# Altium PCB ST1-1-BASIS.PcbDoc (part 5 of 7) (continued)
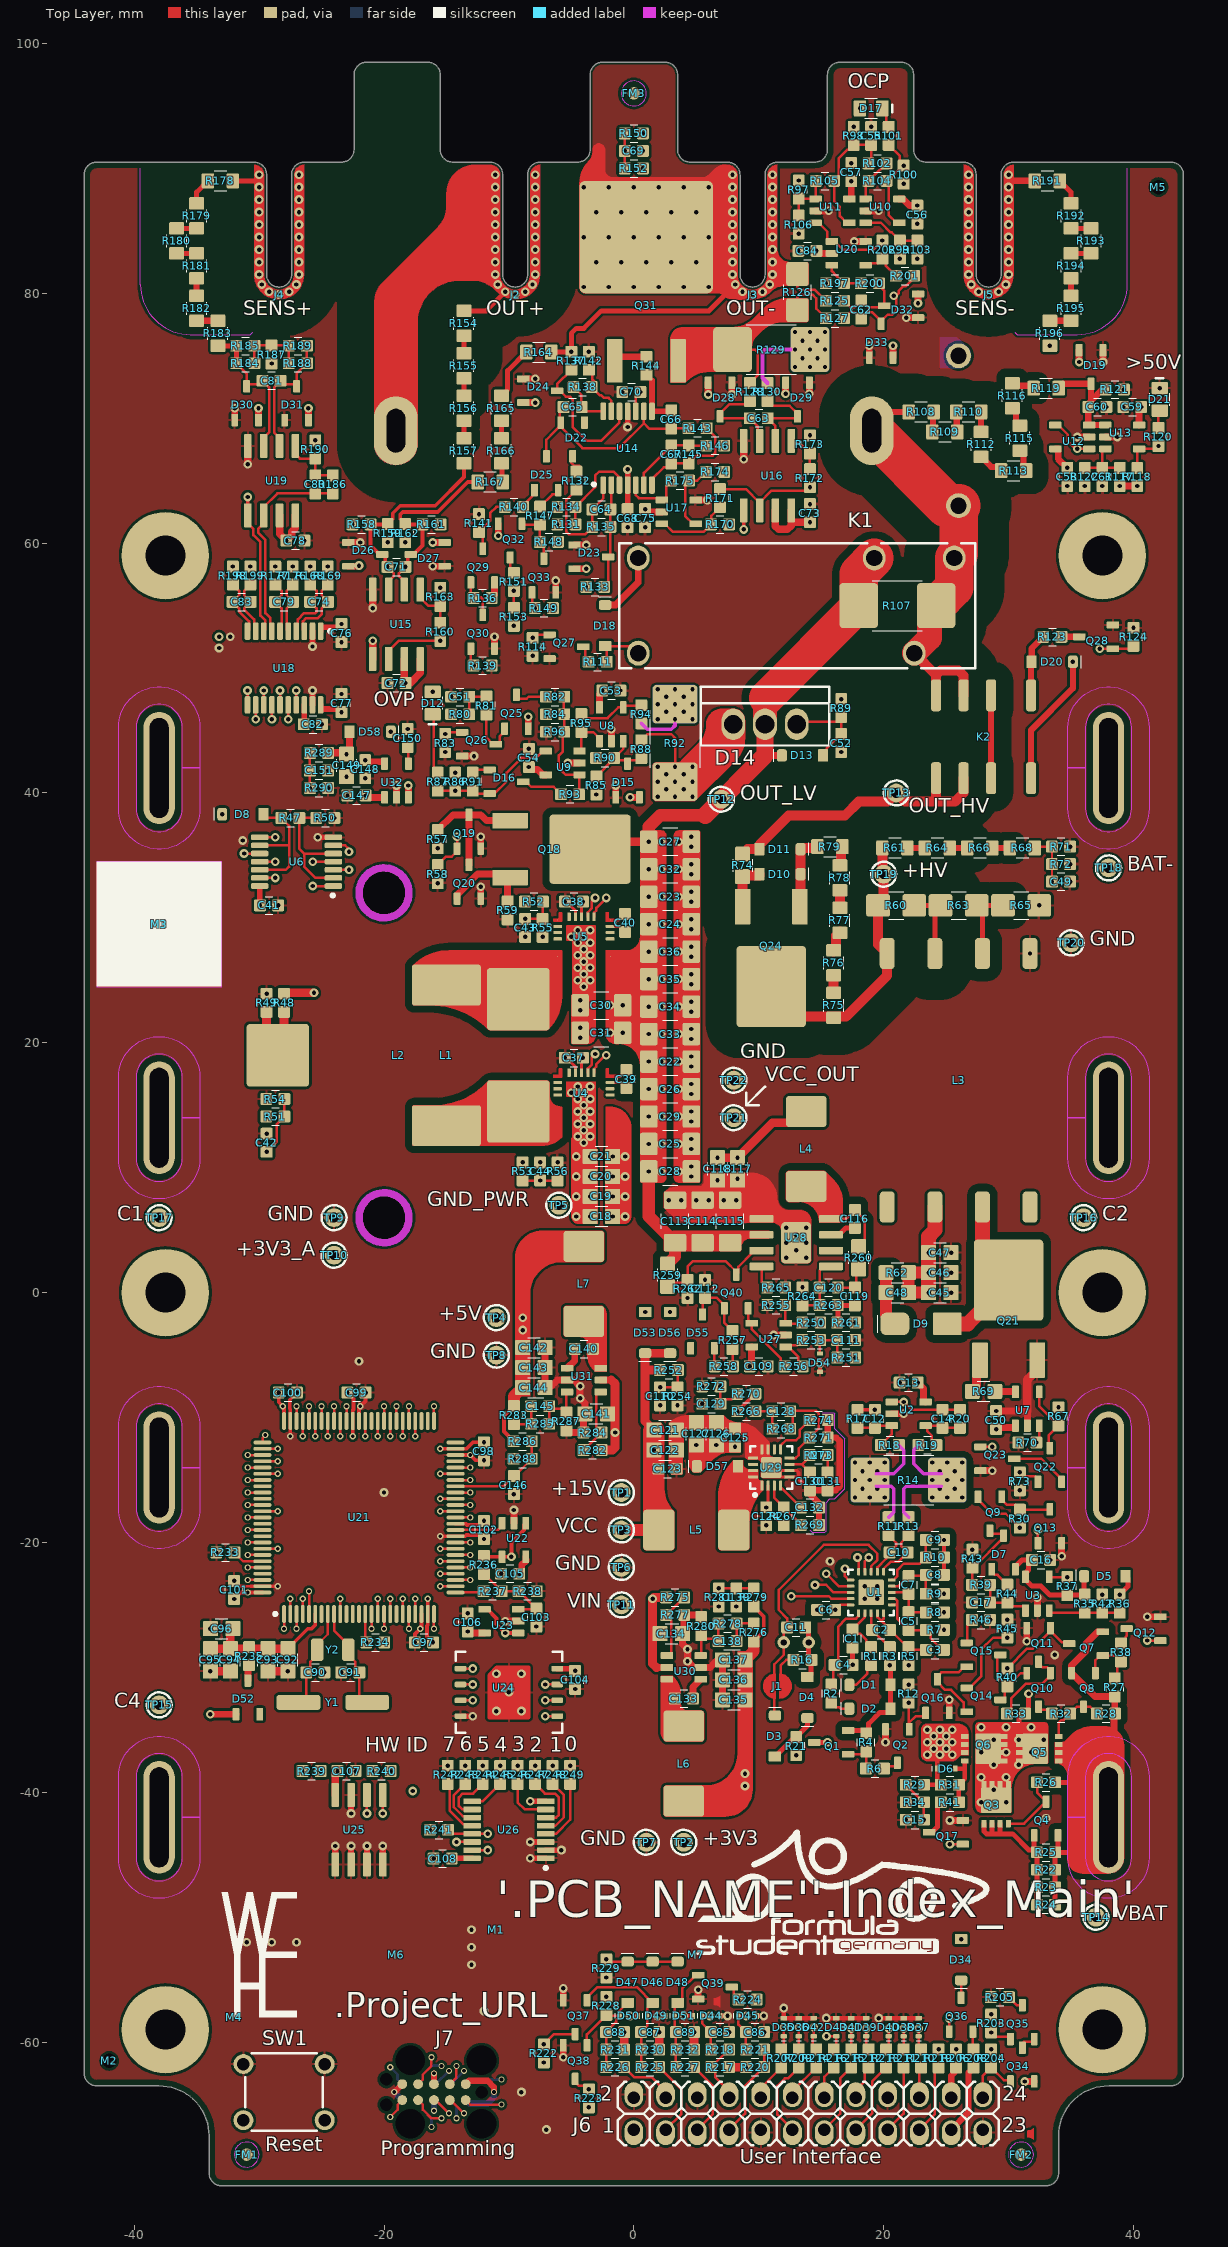
[diagram p0: Top Layer view]
## Nets (pads, with @x,y where several pads share a name; then routed paths per layer and width w, separated by ;. In a path a pad name is that pad's centre, name@x,y a point inside that pad or via, vN(x,y) a via of type N, cw(c..) or ccw(c..) an arc to the next point about the centre after c; other vN are vias at no path point) (continued)
NetQ10_1: Q10.1@33.35,-30.45 Q11.3 R33.2 | length 7
  Top Layer w0.2: R33.2@29.875,-33.7 30.2,-33.375 30.2,-32.5 31.4,-31.3 32.7,-31.3 33.35,-30.65 Q10.1@33.35,-30.45 33.35,-30.25 33.1,-30 32.7,-30 32.4,-29.7 Q11.3@32.4,-29.55
NetQ10_2: Q10.2 Q14.3 Q15.3 R40.2 | length 6.3
  Top Layer w0.2: Q14.3@29.35,-32.6 29.5,-32.6 29.7,-32.4 29.7,-31.725 R40.2@29.9,-31.525 ; Q15.3@29.35,-29 29.1,-29.25 29.1,-30.725 R40.2@29.9,-31.525 ; Q10.2@31.45,-30.45 30.975,-30.45 R40.2@29.9,-31.525
NetQ10_3: Q10.3 R32.2 | length 1.4
  Top Layer w0.2: Q10.3@32.4,-33.15 32.4,-33.3 32.5,-33.4 33.175,-33.4 R32.2@33.475,-33.7
NetQ12_1: Q12.1@42.15,-27.85 R37.2 U3.4 | length 11.2
  Top Layer w0.2: U3.4@33.25,-22.75 33.388,-22.888 33.388,-22.812 33.425,-22.775 v1(34.7,-22.775) ; v1(41.1,-27.85) Q12.1@42.15,-27.85
  Mid 1 w0.2: v1(34.7,-22.775) 39.775,-27.85 v1(41.1,-27.85)
NetQ12_3: Q12.3 R38.2 | length 1.4
  Top Layer w0.2: R38.2@39,-28.075 39.375,-27.7 39.375,-27.55 39.45,-27.475 Q12.3@39.45,-26.9
NetQ14_2: Q14.2 Q15.2 Q16.3 | length 6.8
  Top Layer w0.2: Q14.2@26.65,-33.55 26.575,-33.55 26.4,-33.375 26.4,-32.8 25.4,-31.8 24.925,-31.8 24.3,-31.175 Q16.3@24.3,-30.95 24.3,-30.725 24.625,-30.4 25.975,-30.4 26.425,-29.95 Q15.2@26.65,-29.95
NetQ17_3: Q17.3 R41.2 | length 2.9
  Top Layer w0.4: Q17.3@23.65,-43.2 23.875,-43.2 24.3,-42.775 24.3,-41.075 R41.2@24.575,-40.8
NetQ18_1: Q18.1@-9.9,37.786 Q19.3 Q20.3 R57.2 | length 10.5
  Top Layer w0.55: R57.2@-15.7,37.025 -14.475,38.25 Q19.3@-13.2,38.25 ; Q20.3@-13.2,34.25 Q19.3@-13.2,38.25 ; Q18.1@-9.9,37.786 -11.786,37.786 -12.25,38.25 Q19.3@-13.2,38.25
NetQ18_2: Q18.2 Q20.1@-14.15,31.55 R59.1 | length 7.3
  Top Layer w0.55: Q20.1@-14.15,31.55 -14.15,31.85 -12.5,33.5 -10.186,33.5 Q18.2@-9.9,33.214 -10.1,33.014 R59.1@-10.1,31.325
NetQ21_1: Q21.1@27.714,-5.4 R69.2 | length 3.1
  Top Layer w0.7: R69.2@27.1,-7.9 27.439,-7.561 Q21.1@27.439,-5.675 ; Q21.1@27.439,-5.675 Q21.1@27.714,-5.4 Q21.1@27.439,-5.675
NetQ22_2: Q22.2 Q23.3 | length 4.7
  Top Layer w0.2: Q23.3@30.45,-13.3 32.625,-13.3 34.25,-14.925 Q22.2@34.25,-15.15
NetQ22_3: Q22.3 R67.2 U7.4 | length 5.5
  Top Layer w0.2: U7.4@32.45,-7.95 32.45,-9.075 R67.2@34,-10.625 33.2,-11.425 33.2,-12.35 Q22.3@33.3,-12.45
NetQ25_1: Q25.1@-10.35,45.15 Q26.3 R81.2 | length 4.4
  Top Layer w0.2: R81.2@-11.8,46.275 -11.8,44.425 -11.275,43.9 Q26.3@-11.05,43.9 -10.925,43.9 -10.75,44.075 -10.75,44.525 -10.35,44.925 Q25.1@-10.35,45.15
NetQ25_3: Q25.3 R82.1 | length 2.7
  Top Layer w0.2: Q25.3@-9.4,47.85 -9.4,47.65 -9.263,47.513 -9.225,47.551 -8.574,47.551 -8.425,47.7 R82.1@-7.025,47.7
NetQ27_3: Q27.3 R111.2 | length 1.4
  Top Layer w0.2: Q27.3@-4.05,51.7 -3.9,51.55 -3.9,50.775 R111.2@-3.625,50.5
NetQ28_3: Q28.3 R123.2 | length 1.4
  Top Layer w0.5: R123.2@34.225,52.5 Q28.3@35.65,52.5
NetQ29_1: Q29.1@-13.05,56.85 Q30.3 R136.2 | length 3.4
  Top Layer w0.2: Q29.1@-13.05,56.85 -13.05,55.825 R136.2@-12.825,55.6 -12.762,55.663 -12.23,55.663 -12.1,55.533 -12.1,54.35 Q30.3@-12.1,54.25
NetQ29_3: Q29.3 R140.1 R141.1 | length 4.7
  Top Layer w0.2: Q29.3@-12.1,59.55 -12.1,60.575 R141.1@-12.4,60.875 -11.5,61.775 -11.5,62.4 -11,62.9 R140.1@-10.325,62.9
NetQ31_1: Q31.1@-1.54,74.6 R144.2 | length 2.7
  Top Layer w0.5: Q31.1@-1.54,74.6 -1.215,74.925 R144.2@1,74.925
NetQ31_2: Q31.2 R126.2 R127.1 R128.1 R129.1 | length 20.7
  Top Layer w0.2: R129.1@7.9,75.5 9.7,75.5 9.9,75.3 9.9,73.425 R128.1@9.3,72.825 ; R126.2@13.1,78.65 13.1,79.7 13.3,79.9 14.3,79.9 14.6,79.6 14.6,78.775 R127.1@15.375,78
  Top Layer w0.7: R129.1@7.9,75.5 10.6,78.2 12.65,78.2 R126.2@13.1,78.65
  Top Layer w1.25: Q31.2@3.54,74.6 7,74.6 R129.1@7.9,75.5
NetQ32_1: Q32.1@-8.95,61.55 Q33.3 R147.2 R148.2 | length 4.5
  Top Layer w0.2: Q32.1@-8.95,61.55 -8.875,61.475 R147.2@-7.5,61.475 -7.525,61.45 R148.2@-7.525,60.1 -7.22,60.1 -7.223,60.097 -7.223,58.773 Q33.3@-7.2,58.75
NetQ32_3: Q32.3 R151.1 | length 1.3
  Top Layer w0.2: Q32.3@-9.9,58.85 -9.9,57.925 R151.1@-9.6,57.625
NetQ34_3: Q34.3 Q35.2 | length 1.5
  Top Layer w0.2: Q34.3@31.1,-60.45 31.1,-60.35 31.1,-60.1 31.25,-59.95 31.9,-59.95 32.05,-59.8 Q35.2@32.05,-59.75
NetQ36_2: Q36.2 R208.1 | length 1.4
  Top Layer w0.2: Q36.2@27.15,-59.15 27.15,-60.525 R208.1@27.2,-60.575
NetQ40_2: Q40.2 R256.2 U27.4 | length 5.9
  Top Layer w0.2: Q40.2@9.15,-1.25 9.15,-2.15 U27.4@9.45,-2.45 9.45,-2.95 11.775,-5.275 11.775,-5.6 R256.2@12.075,-5.9
NetR35_2: R35.2 R36.2 R42.1 U3.3 | length 5.7
  Top Layer w0.2: U3.3@33.25,-25.45 33.425,-25.625 R35.2@36.1,-25.625 R42.1@37.5,-25.625 R36.2@38.9,-25.625
NetR61_2: R61.2 R64.1 | length 1.6
  Top Layer w0.5: R61.2@21.8,35.6 R64.1@23.4,35.6
NetR64_2: R64.2 R66.1 | length 1.6
  Top Layer w0.5: R64.2@25.2,35.6 R66.1@26.8,35.6
NetR66_2: R66.2 R68.1 | length 1.6
  Top Layer w0.5: R66.2@28.6,35.6 R68.1@30.2,35.6
NetR69_1: R69.1 U7.5 | length 1.7
  Top Layer w0.55: R69.1@28.9,-7.9 28.925,-7.925 30.55,-7.925 U7.5@30.55,-7.95
NetR75_1: R75.1 R76.2 | length 1.6
  Top Layer w0.8: R75.1@16,23.9 R76.2@16,25.5
NetR76_1: R76.1 R77.2 | length 1.8
  Top Layer w0.8: R76.1@16,27.3 16.2,27.5 16.2,28.6 R77.2@16.5,28.9
NetR77_1: R77.1 R78.2 | length 1.6
  Top Layer w0.8: R77.1@16.5,30.7 R78.2@16.5,32.3
NetR78_1: R78.1 R79.1 | length 1.6
  Top Layer w0.8: R78.1@16.5,34.1 16.6,34.2 R79.1@16.6,35.7
NetR82_2: R82.2 R84.2 R93.1 R96.1 U9.1@-4.35,41.45 | length 9.4
  Top Layer w0.2: R82.2@-5.575,47.7 -5.659,47.616 -5.625,47.583 -5.625,46.35 R84.2@-5.575,46.3 R96.1@-5.575,44.9 -5.675,44.8 -5.675,43.325 -6,43 -6,42 -5.675,41.675 -5.45,41.45 U9.1@-4.35,41.45 ; R93.1@-4.375,39.9 U9.1@-4.375,41.45
NetR94_1: R94.1 R95.2 U8.4 | length 5.4
  Top Layer w0.2: R95.2@-4.2,46.325 -3.875,46 -2.1,46 -1.25,46.85 U8.4@-0.85,46.85 -0.737,46.963 0.538,46.963 R94.1@0.6,47.025
NetR95_1: R95.1 U8.1@-2.75,44.15 U9.3 | length 3.5
  Top Layer w0.2: U9.3@-4.35,43.35 -4.2,43.5 -4.2,44.775 R95.1@-4.2,44.875 -3.25,44.875 -2.75,44.375 U8.1@-2.75,44.15
NetR97_2: R97.2 R105.1 R106.1 U11.1@14.55,87.55 | length 4.2
  Top Layer w0.2: R106.1@13.2,86.225 R97.2@13.2,87.575 13.225,87.55 U11.1@14.55,87.55 14.575,87.575 R105.1@14.575,89
NetR99_1: R99.1 R103.1 U10.3 | length 4.7
  Top Layer w0.2: U10.3@18.55,85.65 19.775,85.65 20.545,84.88 20.645,84.88 R99.1@21.3,84.225 R103.1@22.7,84.225
NetR102_2: R102.2 R104.1 U10.1@18.55,87.55 | length 3.6
  Top Layer w0.2: U10.1@18.55,87.55 18.55,88.775 19.15,89.375 19.2,89.375 R102.2@20.225,90.4
NetR108_2: R108.2 R109.1 | length 1.6
  Top Layer w0.5: R108.2@23.9,70.5 23.95,70.45 23.95,68.95 R109.1@24,68.9
NetR109_2: R109.2 R110.1 | length 1.6
  Top Layer w0.5: R109.2@25.8,68.9 25.85,68.95 25.85,70.45 R110.1@25.9,70.5
NetR110_2: R110.2 R112.1 | length 1.6
  Top Layer w0.5: R110.2@27.75,70.45 27.8,70.4 R112.1@27.8,68.9
NetR112_2: R112.2 R113.1 | length 2.1
  Top Layer w0.5: R112.2@27.8,66.9 28.6,66.1 29.1,66.1 R113.1@29.4,65.8
NetR113_2: R113.2 R115.1 | length 1.8
  Top Layer w0.5: R115.1@30.9,67.4 31.2,67.1 31.2,66 R113.2@31.4,65.8
NetR115_2: R115.2 R116.1 | length 1.6
  Top Layer w0.5: R116.1@30.3,70.8 30.6,70.5 30.6,69.7 R115.2@30.9,69.4
NetR116_2: R116.2 R119.1 | length 1.9
  Top Layer w0.5: R116.2@30.3,72.8 30.5,72.6 31.8,72.6 R119.1@32,72.4
NetR131_2: R131.2 R134.1 U14.3 | length 7.4
  Top Layer w0.2: R131.2@-4.675,61.5 R134.1@-4.675,62.9 -3.1,64.475 -3.1,65.4 -2.772,65.728 -1.628,65.728 -1.15,65.25 U14.3@-1.15,64.65
NetR138_2: R138.2 R142.1 U14.13 | length 4.5
  Top Layer w0.2: R142.1@-3.6,73.875 -3.32,73.595 -3.32,73.095 -3.155,72.93 -3.155,72.72 R138.2@-3.375,72.5 -2.695,71.82 -2.595,71.82 -2.4,71.625 -2.025,71.625 -1.8,71.4 U14.13@-1.8,70.55
NetR154_2: R154.2 R155.2 | length 1.4
  Top Layer w0.4: R155.2@-13.6,75.2 R154.2@-13.6,76.6
NetR155_1: R155.1 R156.1 | length 1.4
  Top Layer w0.4: R156.1@-13.6,71.8 R155.1@-13.6,73.2
NetR156_2: R156.2 R157.2 | length 1.4
  Top Layer w0.4: R157.2@-13.6,68.4 R156.2@-13.6,69.8
NetR160_2: R160.2 R163.1 U15.1@-17.095,56.28 | length 3.9
  Top Layer w0.2: U15.1@-17.095,56.28 -17.095,55.63 -16.44,54.975 R163.1@-15.5,54.975 R160.2@-15.5,53.625
NetR164_2: R164.2 R165.1 | length 4.3
  Top Layer w0.4: R165.1@-10.6,71.8 -10.1,72.3 -10.1,73.8 R164.2@-8.6,75.3
NetR165_2: R165.2 R166.1 | length 1.4
  Top Layer w0.4: R166.1@-10.6,68.4 R165.2@-10.6,69.8
NetR166_2: R166.2 R167.1 | length 1.5
  Top Layer w0.4: R166.2@-10.6,66.4 -10.55,66.35 -10.55,64.95 R167.1@-10.5,64.9
NetR170_1: R170.1 R171.2 U17.3 | length 6.1
  Top Layer w0.2: U17.3@2.25,61.55 2.475,61.55 3.125,60.9 5.575,60.9 6.2,61.525 6.2,62.175 R171.2@6.9,62.875
NetR171_1: R171.1 R172.1 R177.1 U16.6 | length 69.3
  Top Layer w0.2: R171.1@6.9,64.325 8.975,64.325 U16.6@10.065,63.235 ; U16.6@10.065,62.62 U16.6@10.065,63.235 ; v1(14.1,64.475) 14,64.475 13.725,64.2 11.03,64.2 U16.6@10.065,63.235
  Mid 1 w0.2: v1(-28.7,58.125) -28.2,57.625 -28.2,56.934 -26.666,55.4 -20.2,55.4 -19.1,54.3 -15.134,54.3 -7.6,61.834 -7.6,66.8 -0.7,73.7 1.5,73.7 5.6,69.6 8.1,69.6 11.3,66.4 13.8,66.4 14.1,66.1 v1(14.1,64.475)
NetR172_2: R172.2 R173.1 U16.1@12.605,68.18 | length 3.3
  Top Layer w0.2: U16.1@12.605,68.18 12.605,67.98 13.295,67.98 R173.1@14.1,67.175 R172.2@14.1,65.925
NetR174_2: R174.2 R175.1 U17.4 | length 5.7
  Top Layer w0.2: U17.4@4.95,61.55 4.725,61.55 4.1,62.175 4.1,64.675 R175.1@4.425,65 5.075,65 R174.2@5.775,65.7
NetR178_2: R178.2 R179.1 | length 2.2
  Top Layer w0.4: R179.1@-35,87.2 -35,88.1 R178.2@-34.1,89
NetR179_2: R179.2 R180.1 | length 1.6
  Top Layer w0.4: R180.1@-36.6,85.2 R179.2@-35,85.2
NetR180_2: R180.2 R181.1 | length 1.6
  Top Layer w0.4: R180.2@-36.6,83.2 R181.1@-35,83.2
NetR181_2: R181.2 R182.1 | length 1.4
  Top Layer w0.5: R182.1@-35,79.8 R181.2@-35,81.2
NetR182_2: R182.2 R183.1 | length 1.7
  Top Layer w0.5: R182.2@-35,77.8 R183.1@-33.3,77.8
NetR184_2: R184.2 R185.2 R187.1 R188.1 R189.1 | length 5.6
  Top Layer w0.2: R184.2@-30.375,74.4 R185.2@-30.375,75.8 -30.35,75.825 R187.1@-29,75.825 -27.65,75.825 R189.1@-27.625,75.8 R188.1@-27.625,74.4
NetR191_2: R191.2 R192.1 | length 2.2
  Top Layer w0.4: R191.2@34.1,89 35,88.1 R192.1@35,87.2
NetR192_2: R192.2 R193.1 | length 1.6
  Top Layer w0.4: R192.2@35,85.2 R193.1@36.6,85.2
NetR193_2: R193.2 R194.1 | length 1.6
  Top Layer w0.4: R194.1@35,83.2 R193.2@36.6,83.2
NetR194_2: R194.2 R195.1 | length 1.4
  Top Layer w0.5: R195.1@35,79.8 R194.2@35,81.2
NetR195_2: R195.2 R196.1 | length 1.7
  Top Layer w0.5: R196.1@33.3,77.8 R195.2@35,77.8
NetR197_1: R197.1 R200.2 U20.3 | length 3.2
  Top Layer w0.2: U20.3@15.85,82.25 15.85,81.775 16.194,81.431 R197.1@16.825,80.8 R200.2@18.175,80.8
NetR201_2: R201.2 R202.1 U20.4 | length 3.4
  Top Layer w0.2: U20.4@18.55,82.25 18.7,82.4 19.525,82.4 R202.1@19.9,82.775 20.18,82.495 20.18,82.195 R201.2@20.975,81.4
NetR250_2: R250.2 R255.1 U27.3 | length 2.8
  Top Layer w0.2: R255.1@12.125,-1 12.125,-2.45 U27.3@12.15,-2.45 ; U27.3@12.15,-2.5 13.375,-2.5 R250.2@13.475,-2.4
NetR253_2: R253.2 R256.1 U27.1@12.15,-4.35 | length 3.8
  Top Layer w0.2: R253.2@13.475,-3.8 13.081,-4.194 12.306,-4.194 U27.1@12.15,-4.35 12.375,-4.35 13.145,-5.12 13.145,-5.52 R256.1@13.525,-5.9
OCP/: Q23.1@27.75,-12.35 R100.1 R101.1 R104.2 U10.4 U21.30 | length 213.1
  Top Layer w0.2: U21.30@-14.275,-22 v2(-13.1,-22) ; R101.1@20.4,91.875 21.3,90.975 21.3,90.525 v1(21.6,90.225) 21.525,90.225 20.3,89 R104.2@20.225,89 20.4,88.825 20.4,86.275 21.025,85.65 U10.4@21.25,85.65 ; Q23.1@27.75,-12.35 v1(28.7,-12.35)
  Mid 1 w0.2: v1(21.6,90.225) 22.6,89.225 22.6,88.3 22,87.7 22,82.4 22.9,81.5 ccw(c28.4,81.5) 28.4,76 30.6,76 32.3,77.7 34.4,77.7 36.7,75.4 36.7,70.9 34.5,68.7 34.5,67.2 35.5,66.2 40.2,66.2 41.4,65 41.4,25.3 18.7,2.6 18.7,-4.5 19.7,-5.5 24.5,-5.5 25.6,-6.6 25.6,-9.25 v1(28.7,-12.35)
  Mid 4 w0.2: v2(-13.1,-22) -12.6,-22.5 -12.6,-28.9 -11.8,-29.7 -7,-29.7 -5,-27.7 0.5,-27.7 1.1,-27.1 9.5,-27.1 11.2,-25.4 11.2,-23.5 15.3,-19.4 21.5,-19.4 23.7,-21.6 27.4,-21.6 29,-20 29,-15 29.4,-14.6 29.4,-13.05 v1(28.7,-12.35)
ON_REQ: Q15.1@26.65,-28.05 R46.1 R257.1 R258.1 U21.40 | length 66.8
  Top Layer w0.2: U21.40@-14.275,-17 v2(-13.1,-17) ; R257.1@7.9,-4.525 7.913,-4.538 7.913,-5.888 v1(7.925,-5.9) ; Q15.1@26.65,-28.05 26.7,-28 26.7,-26.575 v1(27.075,-26.2)
  Mid 1 w0.2: v2(-13.1,-17) -11.1,-17 -10.9,-16.8 -2.7,-16.8 -2,-17.5 -0.2,-17.5 0.5,-16.8 0.5,-15.3 1.2,-14.6 2.2,-14.6 3.5,-13.3 3.5,-12.3 7.925,-7.875 ; v1(7.925,-5.9) 7.925,-7.875 ; v1(27.075,-26.2) 28.2,-25.075 28.2,-23.8 26.1,-21.7 24.3,-21.7 21.3,-18.7 16.7,-18.7 15.5,-17.5 15.5,-11.3 12.5,-8.3 8.35,-8.3 7.925,-7.875
OUT: F2.1 GDT1.1 K1.3 K1.5 K2.3 K2.5 R107.1 R108.1 | length 60.9
  Top Layer w0.5: F2.1@19.05,69 20.55,70.5 R108.1@22,70.5
  Top Layer w0.8: K1.3@22.45,51.19 24.2,49.44 ; K2.5@24.2,47.82 24.2,49.44 ; K2.3@26.4,47.82 26.4,49.4 26,49.8 24.56,49.8 24.2,49.44
  Top Layer w2: K1.3@22.45,51.19 23.65,52.39 23.65,54.45 R107.1@24.2,55
  Top Layer w3.1: R107.1@24.2,55 25.65,56.45 K1.5@25.65,58.81 26,59.16 GDT1.1@26,63
  Top Layer w3.5: F2.1@19.05,69 25.05,63 GDT1.1@26,63
  Mid 1 w2: K1.3@23,51 22.64,51 K1.3@22.45,51.19 23.65,52.39 23.65,54.45 24.2,55
  Mid 1 w3.1: 24.2,55 25.65,56.45 K1.5@25.65,58.81 26,59.16 GDT1.1@26,63
  Mid 1 w3.5: GDT1.1@26,63 21.5,67.5 ; 21.5,67.5 20,69 F2.1@19.05,69 20.55,67.5 21.5,67.5
OUT_HV: D11.2 K2.6 K2.8 R74.2 TP13.1 | length 23.6
  Top Layer w0.8: R74.2@8.7,35.1 9.1,35.5 D11.2@10.05,35.5 10.05,35.85 12.4,38.2 16.9,38.2 18,39.3 20.3,39.3 TP13.1@21,40 21.7,39.3 24.2,39.3 ; K2.8@24.2,41.18 24.2,39.3 ; K2.6@26.4,41.18 26.4,40 25.7,39.3 24.2,39.3
OUT_LV: C22.1 C23.1 C24.1 C25.1 C26.1 C27.1 C28.1 C29.1 C30.1 C31.1 C32.1 C33.1 C34.1 C35.1 C36.1 C113.1 C114.1 C115.1 D13.1 D14.2 K1.4 Q18.3 R107.2 R259.1 TP12.1 U5.7 U28.2 | length 162.1
  Top Layer w0.55: 10.5,43 D13.1@11.85,43
  Top Layer w0.6: C115.1@7.7,4 7.9,4 8.535,4.635 U28.2@10.22,4.635
  Top Layer w0.7: Q18.3@-3.5,35.5 -2.9,36.1 v1(1.2,36.1)
  Top Layer w0.95: R259.1@2.7,2.3 3.3,2.9 C113.1@3.3,4
  Top Layer w1: v1(1.2,9.7) 1.2,6.1 C113.1@3.3,4 C114.1@5.5,4 C115.1@7.7,4 ; 5.7,38.2 2.1,38.2 1.2,37.3 v1(1.2,36.1) ; v1(1.2,36.1) 1.4,36.3 v1(1.2,36.1)
  Top Layer w1.4: 5.7,38.2 10.5,43 D14.2@10.5,45.5
  Top Layer w1.9: D14.2@10.5,45.5 10.5,47.6
  Top Layer w2.8: 10.6,47.6 R107.2@18,55
  Top Layer w3.1: R107.2@18,55 18,57.56 K1.4@19.25,58.81
  Mid 1 w0.7: v1(-1.9,20.8) v1(-0.9,20.8) ; v1(-1.9,23) v1(-0.9,23) ; v1(1.2,9.7) v1(2.2,9.7) ; v1(1.2,11.9) v1(2.2,11.9) ; v1(1.2,14.1) v1(2.2,14.1) ; v1(1.2,16.3) v1(2.2,16.3) ; v1(1.2,18.5) v1(2.2,18.5) ; v1(1.2,20.7) v1(2.2,20.7) ; v1(1.2,22.9) v1(2.2,22.9) ; v1(1.2,25.1) v1(2.2,25.1) ; v1(1.2,27.3) v1(2.2,27.3) ; v1(1.2,29.5) v1(2.2,29.5) ; v1(1.2,31.7) v1(2.2,31.7) ; v1(1.2,33.9) v1(2.2,33.9) ; v1(1.2,36.1) v1(2.2,36.1)
  Mid 1 w1: v1(1.2,36.1) 1.2,37.3 2.1,38.2 5.7,38.2
  Mid 1 w1.4: 5.7,38.2 10.5,43
  Mid 1 w1.9: 10.5,43 D14.2@10.5,45.5 10.5,47.6
  Mid 1 w2.8: 10.6,47.6 18,55
  Mid 1 w3.1: 18,55 18,57.56 K1.4@19.25,58.81
  Mid 2 (GND) w0.7: v1(-1.9,20.8) v1(-0.9,20.8) ; v1(-1.9,23) v1(-0.9,23) ; v1(1.2,9.7) v1(2.2,9.7) ; v1(1.2,11.9) v1(2.2,11.9) ; v1(1.2,14.1) v1(2.2,14.1) ; v1(1.2,16.3) v1(2.2,16.3) ; v1(1.2,18.5) v1(2.2,18.5) ; v1(1.2,20.7) v1(2.2,20.7) ; v1(1.2,22.9) v1(2.2,22.9) ; v1(1.2,25.1) v1(2.2,25.1) ; v1(1.2,27.3) v1(2.2,27.3) ; v1(1.2,29.5) v1(2.2,29.5) ; v1(1.2,31.7) v1(2.2,31.7) ; v1(1.2,33.9) v1(2.2,33.9) ; v1(1.2,36.1) v1(2.2,36.1)
  Mid 3 (PWR) w0.7: v1(-1.9,20.8) v1(-0.9,20.8) ; v1(-1.9,23) v1(-0.9,23) ; v1(1.2,9.7) v1(2.2,9.7) ; v1(1.2,11.9) v1(2.2,11.9) ; v1(1.2,14.1) v1(2.2,14.1) ; v1(1.2,16.3) v1(2.2,16.3) ; v1(1.2,18.5) v1(2.2,18.5) ; v1(1.2,20.7) v1(2.2,20.7) ; v1(1.2,22.9) v1(2.2,22.9) ; v1(1.2,25.1) v1(2.2,25.1) ; v1(1.2,27.3) v1(2.2,27.3) ; v1(1.2,29.5) v1(2.2,29.5) ; v1(1.2,31.7) v1(2.2,31.7) ; v1(1.2,33.9) v1(2.2,33.9) ; v1(1.2,36.1) v1(2.2,36.1)
  Mid 4 w0.7: v1(-1.9,20.8) v1(-0.9,20.8) ; v1(-1.9,23) v1(-0.9,23) ; v1(1.2,9.7) v1(2.2,9.7) ; v1(1.2,11.9) v1(2.2,11.9) ; v1(1.2,14.1) v1(2.2,14.1) ; v1(1.2,16.3) v1(2.2,16.3) ; v1(1.2,18.5) v1(2.2,18.5) ; v1(1.2,20.7) v1(2.2,20.7) ; v1(1.2,22.9) v1(2.2,22.9) ; v1(1.2,25.1) v1(2.2,25.1) ; v1(1.2,27.3) v1(2.2,27.3) ; v1(1.2,29.5) v1(2.2,29.5) ; v1(1.2,31.7) v1(2.2,31.7) ; v1(1.2,33.9) v1(2.2,33.9) ; v1(1.2,36.1) v1(2.2,36.1)
  Bottom Layer w0.7: v1(-1.9,20.8) v1(-0.9,20.8) ; v1(-1.9,23) v1(-0.9,23) ; v1(1.2,9.7) v1(2.2,9.7) ; v1(1.2,11.9) v1(2.2,11.9) ; v1(1.2,14.1) v1(2.2,14.1) ; v1(1.2,16.3) v1(2.2,16.3) ; v1(1.2,18.5) v1(2.2,18.5) ; v1(1.2,20.7) v1(2.2,20.7) ; v1(1.2,22.9) v1(2.2,22.9) ; v1(1.2,25.1) v1(2.2,25.1) ; v1(1.2,27.3) v1(2.2,27.3) ; v1(1.2,29.5) v1(2.2,29.5) ; v1(1.2,31.7) v1(2.2,31.7) ; v1(1.2,33.9) v1(2.2,33.9) ; v1(1.2,36.1) v1(2.2,36.1)
OUT_SEL_HV: Q27.1@-6.75,52.65 R114.1 U21.16 | length 112.8
  Top Layer w0.2: U21.16@-20.5,-25.725 v2(-20.5,-24.5) ; v1(-8.1,52.425) -7.875,52.65 Q27.1@-6.75,52.65
  Mid 4 w0.2: v2(-20.5,-24.5) -20.5,-22.4 -19,-20.9 -19,-11.1 -17.4,-9.5 -17.4,-7.9 -19.1,-6.2 -23.7,-6.2 -34.9,5 -34.9,43.7 -31.4,47.2 -21.6,47.2 -21.3,46.9 -17.2,46.9 -17,47.1 -13.425,47.1 v1(-8.1,52.425)
OUT_SEL_ISO: Q28.1@38.35,51.55 R124.1 U21.45 | length 108.4
  Top Layer w0.2: v2(-15.5,-14.5) U21.45@-14.275,-14.5 ; v1(37.3,51.55) Q28.1@38.35,51.55 39.775,51.55 R124.1@40,51.775
  Mid 1 w0.2: v2(-15.5,-14.5) -16.5,-13.5 -16.5,-8.4 -16.2,-8.1 -14.9,-8.1 -13.7,-9.3 -3.3,-9.3 -1.3,-7.3 -1.3,-6.2 0.8,-4.1 4.6,-4.1 7,-1.7 13.3,-1.7 36.4,21.4 36.4,29.6 35.8,30.2 35.8,48.1 37.3,49.6 v1(37.3,51.55)
OVP/: D8.1 D16.2 R86.1 R87.1 R91.2 U9.4 U21.18 | length 112.2
  Top Layer w0.2: U21.18@-19.5,-25.725 v2(-19.5,-24.5) ; R87.1@-15.7,40.175 v1(-14.3,40.175) R91.2@-12.9,40.175 -12.75,40.175 -12.525,39.95 D16.2@-11.55,39.95 -11.15,39.95 -10.2,40.9 -10.2,41.6 -9,42.8 -7.825,42.8 -7.275,43.35 U9.4@-7.05,43.35
  Mid 4 w0.2: v2(-19.5,-24.5) -19.5,-24 -17.2,-21.7 -17.2,-17.2 -14.9,-14.9 -14.9,-8.2 -19.1,-4 -23.7,-4 -33.3,5.6 -33.3,37.95 v1(-32.95,38.3) -27.35,43.9 -14.7,43.9 -13.3,42.5 -13.3,41.175 v1(-14.3,40.175)
OVP_RESET: Q26.1@-13.75,44.85 R83.1 U21.17 | length 102.1
  Top Layer w0.2: v2(-20,-26.9) U21.17@-20,-25.725 ; v1(-15.1,44.725) -14.975,44.85 Q26.1@-13.75,44.85
  Mid 4 w0.2: v2(-20,-26.9) -20,-23.2 -18,-21.2 -18,-15.6 -16.6,-14.2 -16.6,-7.6 -19.4,-4.8 -24,-4.8 -34.1,5.3 -34.1,38.9 -28.2,44.8 -22.5,44.8 -21.377,45.923 -16.298,45.923 v1(-15.1,44.725)
QSPI.CLK: U21.25 U24.6 | length 21.2
  Top Layer w0.2: v2(-16,-26.9) U21.25@-16,-25.725 ; v1(-7.1,-32.635) U24.6@-6.13,-32.635
  Mid 1 w0.2: v2(-16,-26.9) -16.8,-27.7 -16.8,-30.558 -16.8,-31.127 ccw(c-16.6,-31.127) -16.6,-31.327 -15.921,-31.327 cw(c-15.921,-31.452) -15.796,-31.452 -15.796,-31.702 cw(c-15.921,-31.702) -15.921,-31.827 -16.6,-31.827 ccw(c-16.6,-32.027) -16.8,-32.027 -16.8,-32.3 -16.61,-32.49 -14.3,-34.8 -9.265,-34.8 v1(-7.1,-32.635)
QSPI.CS/: U21.22 U24.1@-13.87,-30.095 | length 21.3
  Top Layer w0.2: U21.22@-17.5,-25.725 v2(-17.5,-24.5) ; U24.1@-13.87,-30.095 v1(-12.9,-30.095)
  Mid 1 w0.2: v2(-17.5,-24.5) -15.4,-26.6 -15.4,-28.3 -15.4,-28.9 cw(c-15.6,-28.9) -15.6,-29.1 -16.175,-29.1 ccw(c-16.175,-29.225) -16.3,-29.225 -16.3,-29.475 ccw(c-16.175,-29.475) -16.175,-29.6 -15.403,-29.6 cw(c-15.403,-29.725) -15.278,-29.725 -15.278,-29.975 cw(c-15.403,-29.975) -15.403,-30.1 -16.105,-30.1 ccw(c-16.105,-30.225) -16.23,-30.225 -16.23,-30.475 ccw(c-16.105,-30.475) -16.105,-30.6 -15.6,-30.6 cw(c-15.6,-30.8) -15.4,-30.8 -15.4,-31.208 -15.4,-32.3 -14.4,-33.3 -12.4,-33.3 -11.9,-32.8 -11.9,-31.095 v1(-12.9,-30.095)
QSPI.IO0: U21.33 U24.5 | length 21.3
  Top Layer w0.2: v2(-15.5,-20.5) U21.33@-14.275,-20.5 ; v1(-7.1,-33.905) U24.5@-6.13,-33.905
  Mid 1 w0.2: v2(-15.5,-20.5) -12.7,-20.5 -11.8,-21.4 -11.8,-23.7 -6.4,-29.1 -6.4,-33.205 v1(-7.1,-33.905)
QSPI.IO1: U21.32 U24.2 | length 21.3
  Top Layer w0.2: U21.32@-14.275,-21 v2(-13.1,-21) ; U24.2@-13.87,-31.365 v1(-12.9,-31.365)
  Mid 1 w0.2: v2(-13.1,-21) -14.2,-22.1 -14.2,-23.5 -12,-25.7 -12,-27.114 -12,-27.692 cw(c-12.2,-27.692) -12.2,-27.892 -13.796,-27.892 ccw(c-13.796,-28.017) -13.921,-28.017 -13.921,-28.267 ccw(c-13.796,-28.267) -13.796,-28.392 -11.522,-28.392 cw(c-11.522,-28.517) -11.397,-28.517 -11.397,-28.767 cw(c-11.522,-28.767) -11.522,-28.892 -13.889,-28.892 ccw(c-13.889,-29.017) -14.014,-29.017 -14.014,-29.267 ccw(c-13.889,-29.267) -13.889,-29.392 -13.675,-29.392 cw(c-13.675,-29.592) -13.534,-29.734 -13.6,-29.8 -13.6,-29.892 -13.6,-30.665 v1(-12.9,-31.365)
QSPI.IO2: U21.29 U24.3 | length 21.6
  Top Layer w0.2: v2(-15.5,-22.5) U21.29@-14.275,-22.5 ; U24.3@-13.87,-32.635 v1(-12.9,-32.635)
  Mid 1 w0.2: v2(-15.5,-22.5) -14.775,-23.225 -14.775,-23.928 -14.775,-24.028 ccw(c-14.575,-24.028) -14.575,-24.228 -14.313,-24.228 cw(c-14.313,-24.353) -14.188,-24.353 -14.188,-24.603 cw(c-14.313,-24.603) -14.313,-24.728 -15.765,-24.728 ccw(c-15.765,-24.853) -15.89,-24.853 -15.89,-25.103 ccw(c-15.765,-25.103) -15.765,-25.228 -14.313,-25.228 cw(c-14.313,-25.353) -14.188,-25.353 -14.188,-25.603 cw(c-14.313,-25.603) -14.313,-25.728 -15.152,-25.728 ccw(c-15.152,-25.853) -15.277,-25.853 -15.277,-26.103 ccw(c-15.152,-26.103) -15.152,-26.228 -14.313,-26.228 cw(c-14.313,-26.353) -14.188,-26.353 -14.188,-26.603 cw(c-14.313,-26.603) -14.313,-26.728 -14.925,-26.728 ccw(c-14.925,-26.853) -15.05,-26.853 -15.05,-27.103 ccw(c-14.925,-27.103) -14.925,-27.228 -14.363,-27.228 cw(c-14.363,-27.353) -14.238,-27.353 -14.238,-27.603 cw(c-14.363,-27.603) -14.363,-27.728 -14.775,-27.728 ccw(c-14.775,-27.853) -14.9,-27.853 -14.9,-28.103 ccw(c-14.775,-28.103) -14.775,-28.228 -14.575,-28.228 cw(c-14.575,-28.353) -14.45,-28.353 -14.45,-28.603 cw(c-14.575,-28.603) -14.575,-28.728 ccw(c-14.575,-28.928) -14.775,-28.928 -14.775,-29.404 -14.775,-30.76 v1(-12.9,-32.635)
QSPI.IO3: U21.28 U24.7 | length 21.4
  Top Layer w0.2: U21.28@-14.275,-23 v2(-13.1,-23) ; v1(-7.1,-31.365) U24.7@-6.13,-31.365
  Mid 1 w0.2: v2(-13.1,-23) -13.1,-23.6 -11.2,-25.5 -11.2,-27.6 -10.8,-28 -10.465,-28 -10.099,-28.366 -10.029,-28.436 ccw(c-9.887,-28.295) -9.746,-28.436 -8.93,-27.62 cw(c-8.841,-27.709) -8.753,-27.62 -8.576,-27.797 cw(c-8.664,-27.885) -8.576,-27.974 -9.507,-28.905 ccw(c-9.419,-28.994) -9.507,-29.082 -9.331,-29.259 ccw(c-9.242,-29.17) -9.154,-29.259 -8.222,-28.327 cw(c-8.134,-28.416) -8.046,-28.327 -7.869,-28.504 cw(c-7.957,-28.593) -7.869,-28.681 -8.8,-29.612 ccw(c-8.712,-29.701) -8.8,-29.789 -8.623,-29.966 ccw(c-8.535,-29.877) -8.447,-29.966 -7.627,-29.146 cw(c-7.538,-29.234) -7.45,-29.146 -7.273,-29.323 cw(c-7.361,-29.411) -7.273,-29.499 -7.978,-30.204 ccw(c-7.837,-30.346) -7.978,-30.487 -7.636,-30.829 -7.566,-30.899 v1(-7.1,-31.365)
RESET/: J7.10 R234.2 SW1.1 U21.14 | length 81.2
  Top Layer w0.2: U21.14@-21.5,-25.725 -21.5,-27.925 v1(-21.425,-28) ; J7.10@-13.46,-64.635 -13.095,-65 v2(-10.6,-65)
  Mid 1 w0.2: v1(-21.425,-28) -18.4,-31.025 -18.4,-39.2 v1(-17.7,-39.9)
  Mid 4 w0.2: SW1.1@-31.25,-66.25 SW1.1@-24.75,-66.25 -23.45,-66.25 -20.8,-68.9 -11.4,-68.9 -10.3,-67.8 -10.3,-65.3 v2(-10.6,-65) v2(-10.6,-63) -10.299,-62.699 -10.299,-60.301 -22,-48.6 -22,-40.5 -21.4,-39.9 v1(-17.7,-39.9)
  Bottom Layer w0.2: J7.10@-13.46,-63.365 -13.095,-63 v2(-10.6,-63)
SENS_N: J5.1 R191.1 | length 2
  Top Layer w0.5: 30.1,89 R191.1@32.1,89
  other v1: 28.4,79.9 27.6,80.114 29.2,80.114 27.014,80.7 29.786,80.7 26.8,81.5 30,81.5 26.8,82.5 30,82.5 26.8,83.5 30,83.5 26.8,84.5 30,84.5 26.8,85.5 30,85.5 26.8,86.5 30,86.5 26.8,87.5 30,87.5 26.8,88.5 30,88.5 26.8,89.5 30,89.5
SENS_P: J4.1 R178.1 | length 2.2
  Top Layer w0.4: R178.1@-32.1,89 -30.1,89 ; v1@-29.2,79.9 v1(-29.2,80.114)
  other v1: -28.4,79.9 -27.6,80.114 -29.786,80.7 -27.014,80.7 -30,81.5 -26.8,81.5 -30,82.5 -26.8,82.5 -30,83.5 -26.8,83.5 -30,84.5 -26.8,84.5 -30,85.5 -26.8,85.5 -30,86.5 -26.8,86.5 -30,87.5 -26.8,87.5 -30,88.5 -26.8,88.5 -30,89.5 -26.8,89.5
SHUNT_EN: Q33.1@-8.15,56.05 R149.2 U21.15 | length 124.1
  Top Layer w0.2: v2(-21,-26.9) U21.15@-21,-25.725 ; Q33.1@-8.15,56.05 -8.15,55.025 v1(-7.925,54.8)
  Mid 4 w0.2: v2(-21,-26.9) -21,-11 -21.7,-10.3 -23.9,-10.3 -24.5,-9.7 -24.5,-7.6 -36.2,4.1 -38.8,4.1 -40.6,5.9 -40.6,47.2 -37.8,50 -16.5,50 -14.7,51.8 -9.7,51.8 -7.925,53.575 v1(-7.925,54.8)
SHUNT_ISO_EN: Q30.1@-13.05,51.55 R139.1 U21.60 | length 93.1
  Top Layer w0.2: v2(-20.5,-11.5) U21.60@-20.5,-10.275 ; Q30.1@-13.05,51.55 -13.05,50.525 -12.825,50.3 v1(-12.825,50.2)
  Mid 4 w0.2: v2(-20.5,-11.5) -20.5,-8 -21.5,-7 -24,-7 -35.7,4.7 -35.7,44.9 -31.4,49.2 -21.887,49.2 -20.387,47.7 -17.6,47.7 -16.1,49.2 -15.6,49.2 -14.6,50.2 v1(-12.825,50.2)
SPI.CS: U18.12 U21.78 | length 79.6
  Top Layer w0.2: v2(-30.9,-13) U21.78@-29.725,-13 ; v1(-30.275,45.9) U18.12@-30.275,47.05
  Mid 1 w0.2: v2(-30.9,-13) -31,-12.9 -31,-7.6 -35.1,-3.5 -39.8,-3.5 -40.6,-2.7 -40.6,45.9 -39,47.5 -33.7,47.5 -32.1,45.9 v1(-30.275,45.9)